# Altium PCB MLB_REV1.PcbDoc (part 3 of 4)
Units mm, origin at the board's own origin, x right, y up, seen from the top; angles counter-clockwise.
Board outline 150 x 100 mm, 4 copper layers (Top Layer, GND, Power, Bottom Layer), stack 0.603 mm thick; 296 components, 218 nets, 1001 pads, 657 vias.
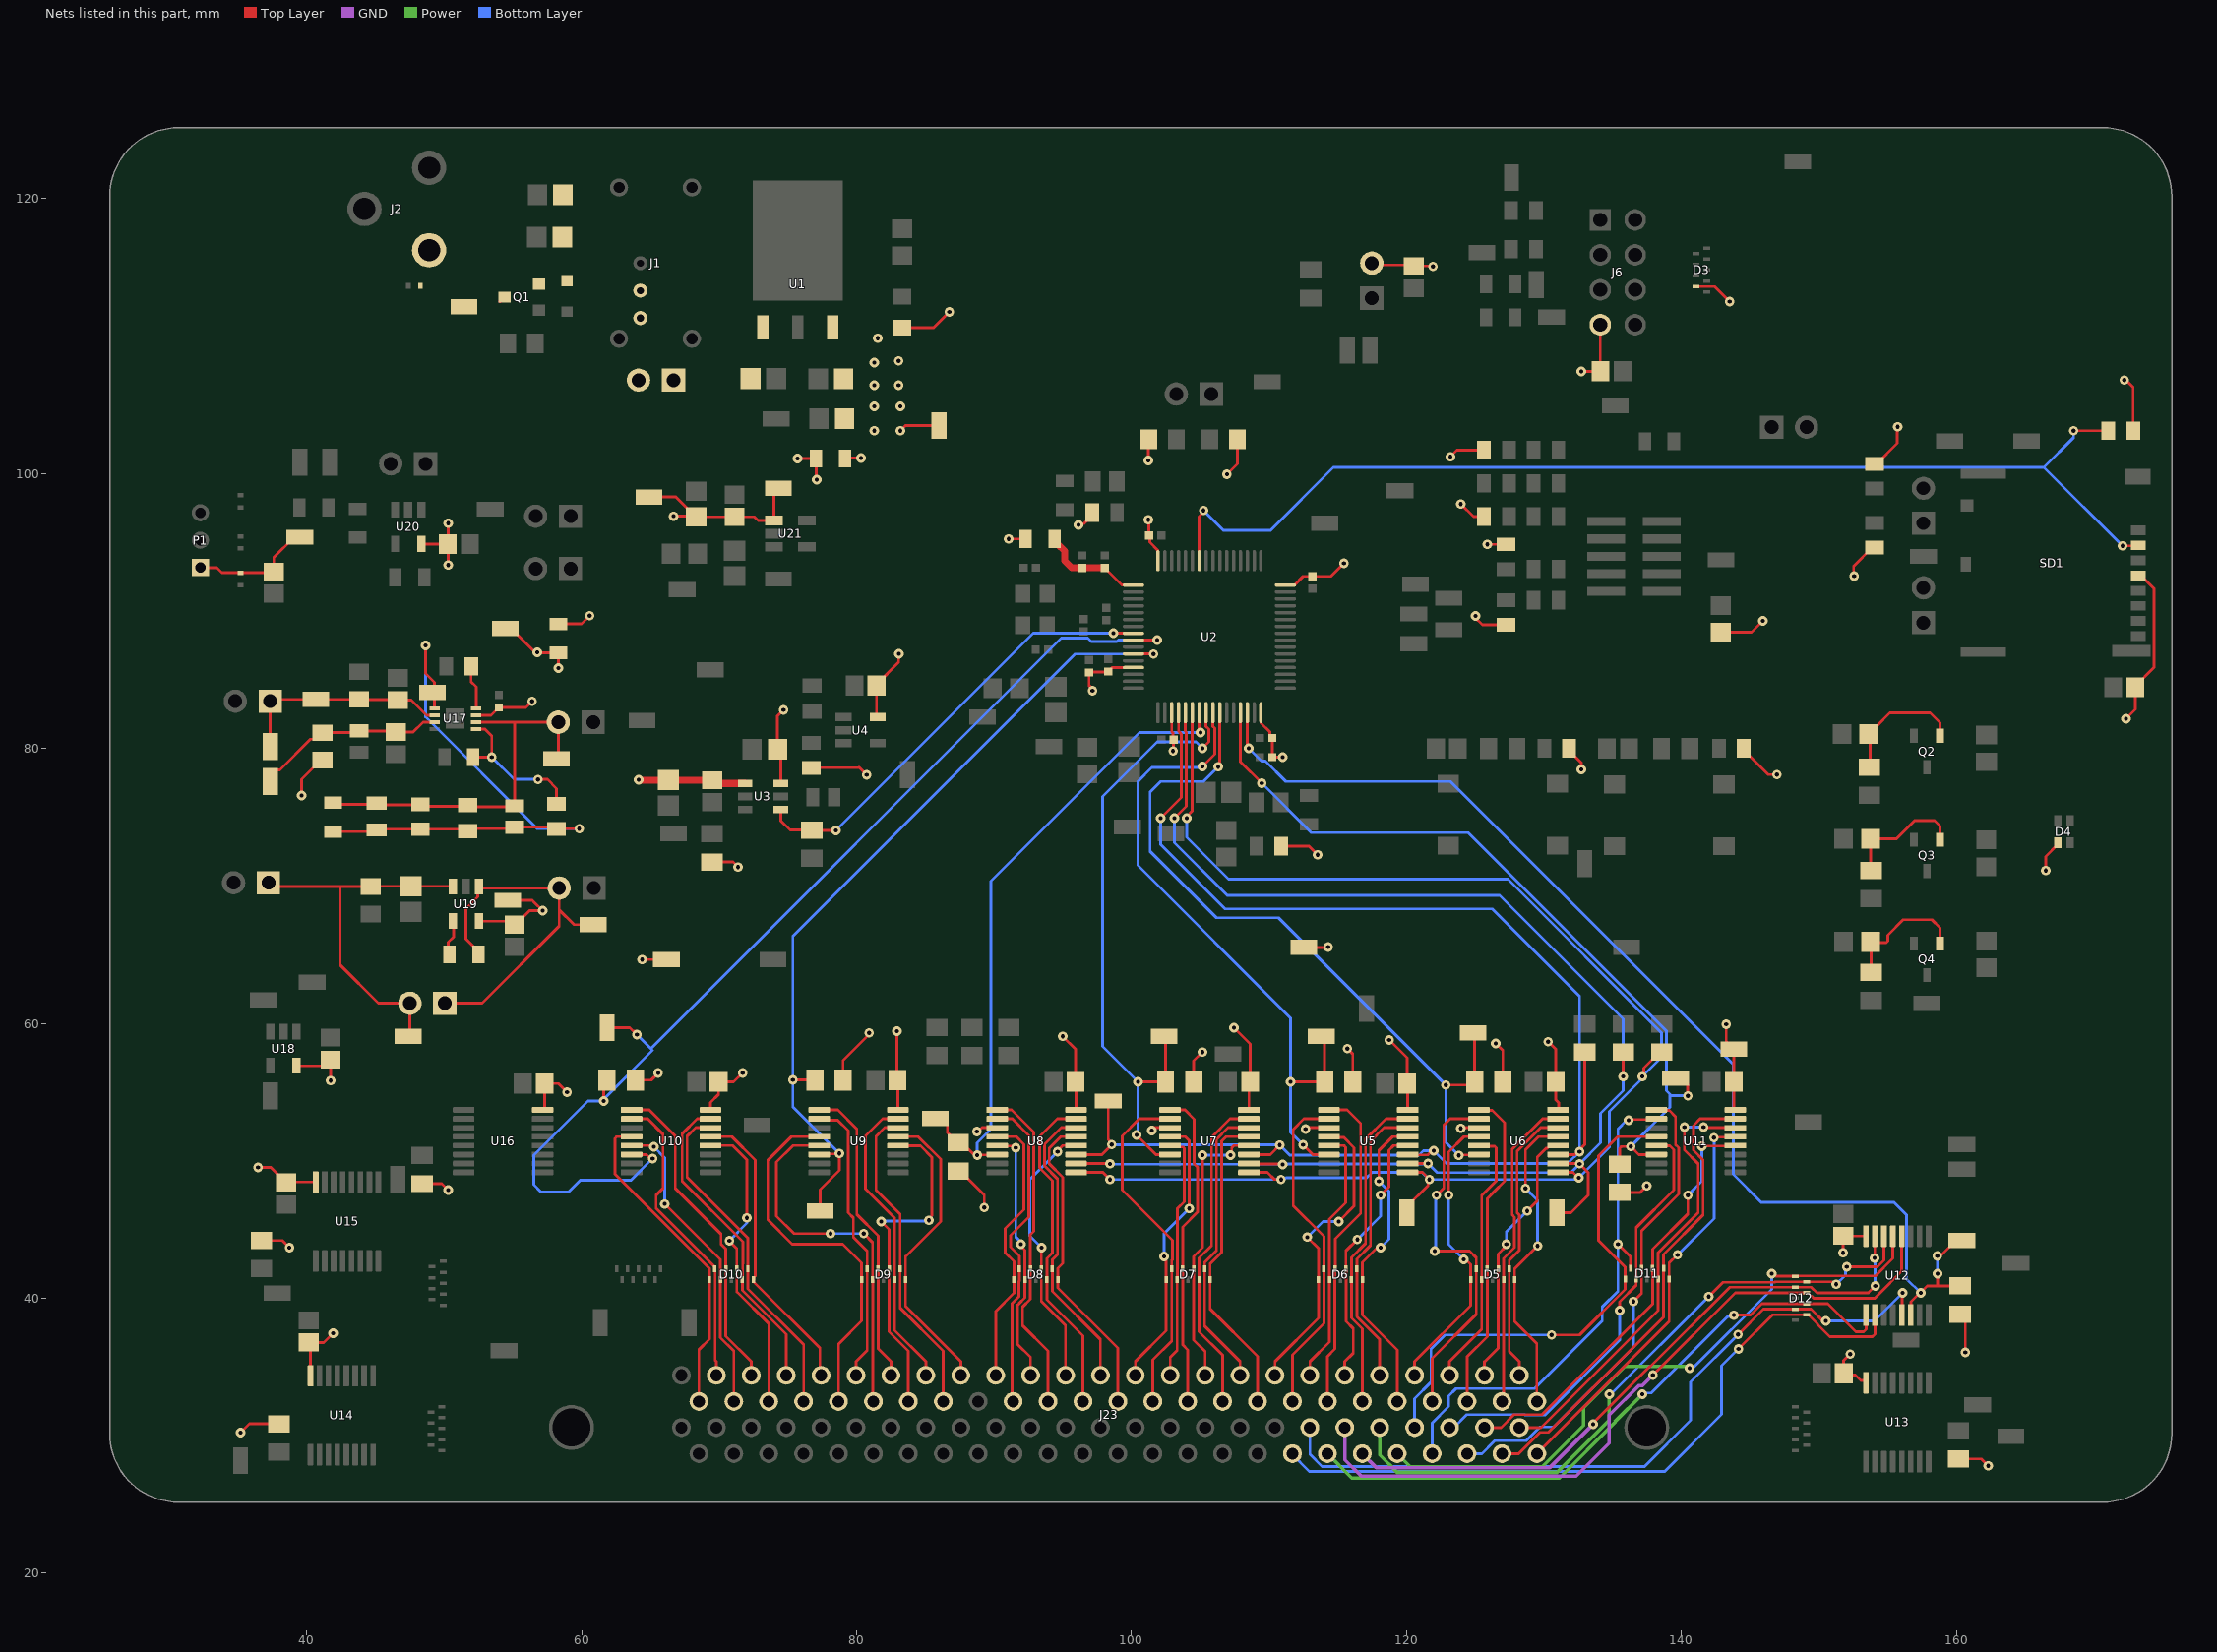
[diagram p5: the nets of this part, all layers, seen from the top]

## Via types
v1: diameter 0.7, hole 0.3, Top Layer to Bottom Layer, tented both sides, 572 vias
v2: diameter 0.7, hole 0.3, Top Layer to Bottom Layer, tented bottom, 79 vias
v3: diameter 5.5, hole 3, Top Layer to Bottom Layer, 6 vias

## Nets (pads, with @x,y where several pads share a name; then routed paths per layer and width w, separated by ;. In a path a pad name is that pad's centre, name@x,y a point inside that pad or via, vN(x,y) a via of type N, cw(c..) or ccw(c..) an arc to the next point about the centre after c; other vN are vias at no path point) (continued)
PP3V3: C4.1 C5.1 C10.1 C11.1 C12.1 C13.1 C14.1 C15.1 C16.1 C18.1 C19.1 C21.1 C22.1 C25.1 C27.1 C28.1 C29.1 C30.1 C31.1 C32.1 C33.1 C34.1 C35.1 C36.1 C37.1 C38.1 C43.2 D3.9 D4.4 DS1.1 J6.7 J11.2 R1.2 R2.2 R3.2 R4.2 R5.1 R15.2 R18.1 R19.1 R20.2 R22.2 R25.2 R28.2 R29.2 R30.2 R34.2 R52.1 R53.2 R56.2 R57.2 R61.2 R62.2 R63.2 R64.2 R68.2 R69.2 R70.2 R71.2 R72.2 R73.2 R74.2 R94.2 SD1.4 TP1.1 TP2.1 TP19.1 U1.3 U2.13 U2.19 U2.32 U2.48 U2.64 U3.6 U4.5 U5.16 U6.16 U7.16 U8.16 U9.16 U10.16 U11.16 U12.16 U13.16 U14.16 U15.16 U16.16 U18.5 | length 210
  Top Layer w0.203: v1(35.179,30.226) 35.823,30.87 R71.2@37.973,30.87 ; v1(36.449,49.53) 37.377,49.53 C37.1@38.481,48.426 38.518,48.463 U15.16@40.651,48.463 ; R72.2@36.703,44.205 38.218,44.205 v1(38.735,43.688) ; U18.5@39.253,56.916 41.283,56.916 C43.2@41.732,57.365 v1(41.732,55.842) ; U14.16@40.27,34.366 40.27,36.653 C36.1@40.132,36.791 41.236,36.791 v1(41.91,37.465) ; R73.2@48.387,48.342 49.829,48.342 v1(50.292,47.879) ; U16.16@57.15,53.71 57.2,53.71 57.304,53.813 C38.1@57.304,55.626 58.293,55.626 v1(58.928,54.991) ; R74.2@58.293,89.061 59.978,89.061 v1(60.579,89.662) ; R64.2@63.89,55.88 65.048,55.88 v1(65.558,56.39) ; U10.16@69.362,53.71 69.362,54.249 69.948,54.835 C32.1@69.948,55.753 71.056,55.753 v1(71.703,56.4) ; R52.1@69.469,71.746 71.002,71.746 v1(71.374,71.374) ; U3.6@74.483,77.461 74.483,79.693 C22.1@74.236,79.94 74.236,82.364 v1(74.676,82.804) ; R53.2@76.708,78.602 80.126,78.602 80.137,78.613 80.191,78.613 v1(80.727,78.077) ; R63.2@79.003,55.88 79.003,57.286 80.899,59.182 v1(80.899,59.309) ; R94.2@79.155,101.092 79.189,101.126 v1(80.317,101.126) ; U4.5@81.545,82.287 81.446,82.386 C25.1@81.446,84.582 81.446,84.658 83.058,86.27 83.058,86.863 v1(83.078,86.883) ; v1(82.931,59.436) 82.931,55.919 83.007,55.843 U9.16@83.007,53.71 ; v1(83.185,103.124) 83.185,103.138 83.552,103.505 TP2.1@85.979,103.505 ; DS1.1@83.33,110.613 85.594,110.613 v1(86.741,111.76) ; R62.2@87.376,49.267 87.526,49.267 89.281,47.512 89.281,46.613 v1(89.276,46.608) ; v1(91.059,95.25) R20.2@92.295,95.25 ; v1(94.996,59.055) 95.924,58.127 C30.1@95.924,55.753 95.961,55.716 U8.16@95.961,53.71 ; v1(96.139,96.266) 96.234,96.361 96.525,96.361 97.144,96.98 R22.2@97.144,97.155 ; v1(97.155,84.201) 97.155,84.328 96.901,84.582 C15.1@96.901,85.527 96.937,85.562 98.262,85.562 C16.1@98.298,85.598 98.588,85.888 U2.13@100.139,85.888 ; v1(101.219,96.647) 101.247,96.619 101.247,95.532 101.316,95.463 101.316,95.018 101.905,94.429 101.905,93.672 U2.64@101.914,93.663 ; v1(101.219,100.965) 101.219,102.457 R19.1@101.251,102.489 ; U2.19@102.914,82.613 102.914,81.236 102.997,81.153 102.997,80.716 C13.1@103.068,80.645 103.043,80.62 103.043,79.843 v1(103.018,79.818) ; R61.2@104.521,55.753 104.521,57.277 v1(105.156,57.912) ; v1(106.934,99.949) 107.696,100.711 R18.1@107.696,102.489 ; v1(107.442,59.69) 108.624,58.508 C29.1@108.624,55.753 108.534,55.663 U7.16@108.534,53.71 ; U2.32@109.414,82.613 109.423,82.604 109.423,81.839 110.051,81.211 110.051,80.957 C10.1@110.236,80.772 C14.1@110.236,79.375 v1(110.998,79.375) ; R15.2@110.882,72.898 112.903,72.898 v1(113.538,72.263) ; U2.48@111.189,91.888 111.839,91.888 112.478,92.527 C11.1@113.157,92.527 114.498,92.527 v1(115.443,93.472) ; TP1.1@112.528,65.532 114.301,65.532 v1(114.301,65.564) ; v1(115.697,58.166) 116.087,57.776 R56.2@116.087,55.753 ; J11.2@117.475,115.316 117.602,115.189 120.308,115.189 C21.1@120.435,115.062 ; v1(118.735,58.791) 118.745,58.801 120.054,57.492 C27.1@120.054,55.626 120.091,55.589 U5.16@120.091,53.71 ; C21.1@120.523,115.083 120.547,115.107 121.885,115.107 v1(121.92,115.072) ; v1(123.19,101.219) 123.672,101.701 R4.2@125.64,101.701 ; v1(123.952,97.79) 124.867,96.875 R3.2@125.64,96.875 ; v1(125.015,89.639) 125.015,89.582 124.968,89.535 125.513,88.99 R1.2@127.24,88.99 ; v1(125.872,94.854) R2.2@127.24,94.854 ; v1(126.492,58.547) 127.009,58.03 R57.2@127.009,55.753 ; v1(130.302,58.674) 130.849,58.127 C28.1@130.849,55.753 130.849,54.444 131.064,54.229 131.064,53.761 U6.16@131.013,53.71 ; R25.2@131.837,80.01 131.837,79.835 132.715,78.957 v1(132.715,78.486) ; v1(132.715,107.442) C19.1@134.112,107.442 134.092,107.462 J6.7@134.092,110.833 ; R68.2@135.509,47.707 136.988,47.707 137.459,48.178 v1(137.476,48.178) ; D3.9@141.059,113.608 142.424,113.608 v1(143.51,112.522) ; R5.1@142.861,88.457 145.099,88.457 v1(145.923,89.281) ; v1(143.256,59.944) 143.256,58.674 TP19.1@143.803,58.127 C33.1@143.803,55.753 143.803,53.813 143.906,53.71 U11.16@143.916,53.71 ; R34.2@144.537,80.01 144.537,79.835 144.935,79.437 144.978,79.437 146.31,78.105 v1(146.939,78.105) ; v1(151.765,43.307) C34.1@151.765,44.538 151.777,44.526 U12.16@153.427,44.526 ; v1(152.273,35.941) 151.804,35.472 151.804,34.468 151.843,34.429 152.642,34.429 153.036,34.035 153.324,34.035 153.427,33.931 U13.16@153.427,33.858 ; v1(152.555,92.541) 152.527,92.569 152.527,93.266 153.876,94.615 R30.2@154.051,94.615 ; R29.2@154.051,100.722 154.226,100.722 155.702,102.198 155.702,103.384 v1(155.728,103.41) ; R70.2@160.147,28.312 161.807,28.312 v1(162.306,27.813) ; R69.2@160.274,38.853 160.655,38.472 v1(160.655,36.068) ; v1(166.497,71.12) 166.497,72.149 167.375,73.027 D4.4@167.375,73.152 ; v1(172.212,106.807) 172.339,106.807 172.858,106.288 R28.2@172.858,103.124 ; v1(172.339,82.169) 173.013,82.843 C18.1@173.013,84.455 173.013,84.531 174.382,85.9 174.382,91.627 173.428,92.581 SD1.4@173.228,92.581
  other v1: 81.28,103.124 81.28,104.902 83.185,104.902 81.28,106.426 83.058,106.426 81.28,108.077 83.058,108.204 81.534,109.855
PP3V3_AUDIO: C46.2 C47.2 C49.1 C50.1 D19.1 P1.1 R94.1 TP74.1 TP75.1 TP83.1 U20.5 U21.1 | length 30.9
  Top Layer w0.203: P1.1@32.258,93.155 33.464,93.155 33.817,92.802 37.518,92.802 C46.2@37.592,92.876 37.592,93.897 39.072,95.377 TP74.1@39.497,95.377 ; U20.5@48.321,94.889 U20.5@48.341,94.869 ; U20.5@48.354,94.856 U20.5@48.341,94.869 ; v1(50.292,93.345) 50.292,94.83 C47.2@50.253,94.869 ; v1(50.292,96.393) 50.292,94.908 C47.2@50.253,94.869 ; TP83.1@64.897,98.298 66.841,98.298 C49.1@68.238,96.901 ; v1(66.675,96.901) C49.1@68.238,96.901 ; TP75.1@74.295,98.933 73.984,98.622 U21.1@73.984,96.581 72.837,96.581 72.556,96.862 C50.1@71.12,96.862 68.328,96.862 C49.1@68.326,96.864 68.289,96.901 C49.1@68.238,96.901 ; v1(75.692,101.092) R94.1@77.055,101.092 77.055,99.568 v1(77.089,99.568) ; U20.5@48.341,94.869 C47.2@50.253,94.869
PP3V3_LCD: C7.1 C8.1 R20.1 U2.1 | length 7.7
  Top Layer w0.203: C7.1@98.044,93.147 99.294,91.897 U2.1@100.13,91.897
  Top Layer w0.508: R20.1@94.395,95.25 94.395,95.05 94.591,94.854 94.63,94.854 95.123,94.361 95.123,93.652 95.628,93.147 C7.1@98.044,93.147
PP3V3_PWR_MUX: C23.1 C24.1 TP23.1 U3.1 U5.3 U6.3 U7.3 U8.3 | length 15.9
  Top Layer w0.203: v1(64.389,64.643) TP23.1@66.167,64.643 ; v1(88.742,52.135) 88.856,52.135 89.131,52.41 U8.3@90.221,52.41 ; v1(101.473,52.197) 101.473,52.41 U7.3@102.794,52.41 ; v1(112.649,52.324) 112.649,52.41 U5.3@114.351,52.41 ; v1(123.952,52.364) 123.952,52.41 U6.3@125.273,52.41
  Top Layer w0.508: v1(64.135,77.724) 64.135,77.703 C24.1@66.294,77.703 69.489,77.703 69.732,77.461 U3.1@71.883,77.461
PP3V3_SENSE: C39.1 C44.2 R74.1 R77.2 TP54.1 TP66.1 U17.7 U19.5 | length 21.5
  Top Layer w0.203: v1(39.624,76.581) 39.624,77.754 41.023,79.153 R77.2@41.148,79.153 ; U17.7@52.3,82.419 53.407,82.419 C39.1@53.975,82.987 55.936,82.987 v1(56.388,83.439) ; U19.5@52.512,67.457 52.532,67.437 54.864,67.437 C44.2@55.118,67.183 55.194,67.183 56.21,68.199 v1(57.15,68.199) 56.515,68.834 56.515,68.842 56.396,68.961 TP66.1@54.61,68.961 ; TP54.1@54.434,88.733 54.859,88.733 56.502,87.09 56.674,87.09 v1(56.769,86.995) 56.769,86.961 R74.1@58.293,86.961 v1(58.293,85.852)
PP5V_CONN: D1.1 J2.1 Q1.3 TP3.1 | length 0.5
  Top Layer w0.203: Q1.3@54.048,112.494 54.048,112.544 54.346,112.842 Q1.3@54.396,112.842
PP5V_RVP: C1.1 C2.1 D2.1 J1.2 Q1.2 | length 0
  Top Layer w0.203: D2.1@58.928,114.018 D2.1@58.968,114.018
PP5V_SW1: J1.1 J3.2
PP5V_SW2: C3.1 J3.1 U1.1
PWR_MUX1_EN_L: R57.1 TP31.1 U2.26 U6.6 | length 55.4
  Top Layer w0.203: v1(106.31,78.67) 106.31,78.805 106.414,78.909 U2.26@106.414,82.613 ; v1(122.859,55.522) 124.728,55.522 R57.1@124.959,55.753 124.959,59.191 TP31.1@124.841,59.309 ; v1(123.795,50.404) 123.823,50.432 125.245,50.432 U6.6@125.273,50.46
  Bottom Layer w0.203: v1(106.31,78.67) 105.237,77.597 102.108,77.597 101.346,76.835 101.346,72.517 106.172,67.691 110.69,67.691 v1(122.859,55.522) 122.859,51.34 v1(123.795,50.404)
PWR_MUX1_Y0: D5.5 J23.1 U6.13 | length 22.8
  Top Layer w0.203: v2(128.651,48.006) 128.651,50.8 129.611,51.76 U6.13@131.013,51.76 ; J23.1@129.481,32.5 129.481,36.704 127.868,38.317 D5.5@127.868,41.354 127.868,42.143 v2(129.54,43.815)
  Bottom Layer w0.203: v2(128.651,48.006) 129.54,47.117 v2(129.54,43.815)
PWR_MUX1_Y1: D5.6 J23.2 U6.14 | length 20.7
  Top Layer w0.203: J23.2@128.211,34.4 128.211,35.4 127.468,36.143 D5.6@127.468,42.154 127.468,42.748 128.214,43.493 128.214,46.065 128.047,46.232 128.047,50.699 129.758,52.41 U6.14@131.013,52.41
PWR_MUX1_Y2: D5.4 J23.3 U6.15 | length 22.6
  Top Layer w0.203: J23.3@126.941,32.918 126.948,32.918 127.068,33.038 D5.4@127.068,41.354 127.068,42.902 127.858,43.692 127.858,45.918 127.691,46.085 127.691,50.846 129.905,53.06 U6.15@131.013,53.06
PWR_MUX1_Y3: D5.7 J23.4 U6.12 | length 19.3
  Top Layer w0.203: J23.4@125.671,34.4 125.671,35.4 125.697,35.4 126.668,36.371 D5.7@126.668,42.154 126.668,43.229 127.254,43.815 v2(127.254,43.942) ; v2(128.778,46.355) 129.513,47.09 129.513,50.279 130.153,50.919 130.242,50.919 130.433,51.11 U6.12@131.013,51.11
  Bottom Layer w0.203: v2(127.254,43.942) 127.254,44.831 v2(128.778,46.355)
PWR_MUX1_Y4: D5.8 J23.5 U6.1 | length 23.7
  Top Layer w0.203: J23.5@124.401,32.5 124.401,35.755 125.868,37.222 D5.8@125.868,42.154 125.868,47.255 126.365,47.752 127.127,48.514 127.127,52.791 126.233,53.685 125.298,53.685 U6.1@125.273,53.71
PWR_MUX1_Y5: D5.2 J23.6 U6.5 | length 19.3
  Top Layer w0.203: J23.6@123.131,34.4 123.131,35.4 125.468,37.737 D5.2@125.468,41.354 125.468,47.49 126.517,48.539 126.517,50.951 126.398,51.07 125.313,51.07 U6.5@125.273,51.11
PWR_MUX1_Y6: D5.9 J23.7 U6.2 | length 27.2
  Top Layer w0.203: J23.7@121.861,32.5 121.861,35.628 125.068,38.835 D5.9@125.068,42.154 125.068,42.953 124.587,43.434 v2(122.047,43.434) ; v2(122.174,47.498) 122.707,48.031 122.707,52.608 123.172,53.073 125.26,53.073 U6.2@125.273,53.06
  Bottom Layer w0.203: v2(122.047,43.434) 122.111,43.497 122.111,47.434 v2(122.174,47.498)
PWR_MUX1_Y7: D5.1 J23.8 U6.4 | length 21.3
  Top Layer w0.203: J23.8@120.591,34.4 120.591,35.4 124.668,39.477 D5.1@124.668,41.354 124.668,42.464 124.666,42.464 124.3,42.83 v2(124.166,42.83) ; v2(123.063,47.498) 123.063,50.64 124.183,51.76 U6.4@125.273,51.76
  Bottom Layer w0.203: v2(123.063,47.498) 123.063,43.933 v2(124.166,42.83)
PWR_MUX2_EN_L: R56.1 TP30.1 U2.25 U5.6 | length 48.9
  Top Layer w0.203: v1(105.156,78.697) 106.045,79.586 106.045,81.483 105.914,81.614 U2.25@105.914,82.613 ; v1(111.569,55.754) R56.1@114.037,55.753 ; v1(112.476,51.177) 113.193,50.46 U5.6@114.351,50.46 ; TP30.1@113.792,59.055 114.037,58.81 R56.1@114.037,55.753
  Bottom Layer w0.203: v1(105.156,78.697) 105.072,78.613 101.473,78.613 100.457,77.597 100.457,71.501 111.569,60.389 v1(111.569,55.754) 111.569,52.084 v1(112.476,51.177)
PWR_MUX2_Y0: D6.5 J23.9 U5.13 | length 23.1
  Top Layer w0.203: v1(117.983,48.514) 117.983,50.756 118.987,51.76 U5.13@120.091,51.76 ; v2(118.11,43.688) 117.856,43.688 116.791,42.623 D6.5@116.791,41.354 116.791,38.775 119.321,36.245 J23.9@119.321,32.5
  Bottom Layer w0.203: v1(117.983,48.514) 118.714,47.783 118.714,44.292 v2(118.11,43.688)
PWR_MUX2_Y1: D6.6 J23.10 U5.14 | length 21.2
  Top Layer w0.203: J23.10@118.051,34.4 118.051,37.012 116.435,38.628 116.435,38.632 116.391,38.676 D6.6@116.391,42.154 116.391,42.858 117.379,43.846 117.379,51.431 118.358,52.41 U5.14@120.091,52.41
PWR_MUX2_Y2: D6.4 J23.11 U5.15 | length 23.5
  Top Layer w0.203: J23.11@116.781,32.5 116.781,37.778 115.991,38.568 D6.4@115.991,41.354 115.991,42.961 117.023,43.993 117.023,51.578 118.505,53.06 U5.15@120.091,53.06
PWR_MUX2_Y3: D6.7 J23.12 U5.12 | length 19.7
  Top Layer w0.203: J23.12@115.511,34.4 115.511,35.4 116.126,36.015 116.126,37.798 115.612,38.312 115.612,41.709 115.624,41.721 115.624,41.995 115.591,42.029 115.591,43.455 v2(116.419,44.283) ; v2(118.11,47.498) 118.718,48.106 118.718,50.773 119.055,51.11 U5.12@120.091,51.11
  Bottom Layer w0.203: v2(116.419,44.283) 118.11,45.974 v2(118.11,47.498)
PWR_MUX2_Y4: D6.8 J23.13 U5.1 | length 23.9
  Top Layer w0.203: J23.13@114.241,32.5 114.241,35.755 114.791,36.305 114.791,42.279 114.814,42.302 114.814,44.329 116.668,46.183 116.668,52.715 115.673,53.71 U5.1@114.351,53.71
PWR_MUX2_Y5: D6.2 J23.14 U5.5 | length 18.9
  Top Layer w0.203: J23.14@112.971,34.4 112.971,35.4 114.391,36.82 114.391,45.776 115.56,46.945 115.56,50.991 115.441,51.11 U5.5@114.351,51.11
PWR_MUX2_Y6: D6.9 J23.15 U5.2 | length 24.6
  Top Layer w0.203: J23.15@111.701,32.5 111.701,35.882 113.991,38.172 D6.9@113.991,42.154 113.991,44.505 111.76,46.736 111.76,52.289 112.531,53.06 U5.2@114.351,53.06
PWR_MUX2_Y7: D6.1 J23.16 U5.4 | length 22.4
  Top Layer w0.203: J23.16@110.431,34.4 110.431,35.4 113.591,38.56 D6.1@113.591,41.354 113.591,43.635 v2(112.776,44.45) ; U5.4@114.351,51.76 114.411,51.7 115.441,51.7 116.18,50.961 116.18,46.711 v2(115.062,45.593)
  Bottom Layer w0.203: v2(112.776,44.45) 113.919,45.593 v2(115.062,45.593)
PWR_MUX3_EN_L: R61.1 TP32.1 U2.24 U7.6 | length 46.1
  Top Layer w0.203: v1(100.349,51.886) 101.775,50.46 U7.6@102.794,50.46 ; v1(100.457,55.753) R61.1@102.471,55.753 102.471,58.946 TP32.1@102.362,59.055 ; v1(105.156,80.01) 105.622,80.476 105.622,81.403 105.414,81.611 U2.24@105.414,82.613
  Bottom Layer w0.203: v1(100.349,51.886) 100.457,51.994 v1(100.457,55.753) 97.878,58.332 97.878,76.507 101.858,80.487 104.679,80.487 v1(105.156,80.01)
PWR_MUX3_Y0: D7.5 J23.17 U7.13 | length 22.8
  Top Layer w0.203: U7.13@108.534,51.76 106.873,51.76 106.553,51.44 106.553,43.352 105.714,42.513 D7.5@105.714,41.354 105.714,39.234 109.161,35.787 J23.17@109.161,32.5
PWR_MUX3_Y1: D7.6 J23.18 U7.14 | length 21.3
  Top Layer w0.203: J23.18@107.891,34.4 107.891,35.4 105.314,37.977 105.314,42.616 106.172,43.474 106.172,51.562 107.02,52.41 U7.14@108.534,52.41
PWR_MUX3_Y2: D7.4 J23.19 U7.15 | length 23.6
  Top Layer w0.203: J23.19@106.621,32.5 106.621,35.873 104.914,37.58 104.914,42.936 105.816,43.838 105.816,51.709 107.167,53.06 U7.15@108.534,53.06
PWR_MUX3_Y3: D7.7 J23.20 U7.12 | length 20.6
  Top Layer w0.203: v1(105.156,50.419) 105.156,43.681 104.514,43.039 D7.7@104.514,42.154 104.514,36.964 105.351,36.127 J23.20@105.351,34.4 ; v1(107.188,50.419) 107.283,50.514 107.283,50.949 107.444,51.11 U7.12@108.534,51.11
  Bottom Layer w0.203: v1(105.156,50.419) v1(107.188,50.419)
PWR_MUX3_Y4: D7.8 J23.21 U7.1 | length 23.3
  Top Layer w0.203: U7.1@102.794,53.71 103.884,53.71 104.552,53.042 104.552,49.781 104.793,49.541 104.793,46.28 103.714,45.202 103.714,36.621 104.081,36.254 J23.21@104.081,32.5
PWR_MUX3_Y5: D7.2 J23.22 U7.5 | length 18.1
  Top Layer w0.203: U7.5@102.794,51.11 102.897,51.007 103.753,51.007 103.833,50.926 103.833,47.029 103.335,46.531 103.335,41.798 103.337,41.796 103.337,41.377 D7.2@103.314,41.354 103.314,36.218 102.811,35.715 J23.22@102.811,34.4
PWR_MUX3_Y6: D7.9 J23.23 U7.2 | length 25.4
  Top Layer w0.203: J23.23@101.541,32.5 101.541,35.519 102.914,36.892 D7.9@102.914,42.154 102.914,42.751 102.966,42.803 102.966,44.227 99.314,47.879 99.314,51.816 100.558,53.06 U7.2@102.794,53.06
PWR_MUX3_Y7: D7.1 J23.24 U7.4 | length 20.3
  Top Layer w0.203: J23.24@100.271,34.4 100.271,35.4 102.514,37.643 102.514,42.767 102.362,42.919 v2(102.362,43.053) ; U7.4@102.794,51.76 103.898,51.76 104.189,51.469 v2(104.189,46.531)
  Bottom Layer w0.203: v2(102.362,43.053) 102.362,44.704 v2(104.189,46.531)
PWR_MUX4_EN_L: R62.1 TP33.1 U2.23 U8.6 | length 47.2
  Top Layer w0.203: TP33.1@85.725,53.086 86.15,53.086 86.598,52.638 86.598,52.072 87.353,51.317 87.503,51.317 87.653,51.317 88.456,50.514 88.678,50.514 v1(88.773,50.419) 88.793,50.439 90.201,50.439 U8.6@90.221,50.46 ; v1@104.914,81.391 U2.23@104.914,82.613
  Bottom Layer w0.203: v1(88.773,50.419) 88.773,51.311 89.773,52.311 89.773,70.342 100.584,81.153 v1(105.018,81.153)
PWR_MUX4_Y0: D8.5 J23.25 U8.13 | length 23.2
  Top Layer w0.203: U8.13@96.064,51.657 U8.13@95.961,51.76 94.848,51.76 94.011,50.923 94.011,49.791 94.996,48.806 94.996,42.545 94.637,42.186 D8.5@94.637,41.354 94.637,40.745 99.001,36.381 J23.25@99.001,32.5
PWR_MUX4_Y1: D8.6 J23.26 U8.14 | length 21.6
  Top Layer w0.203: U8.14@95.941,52.43 94.878,52.43 93.655,51.208 93.655,49.644 94.615,48.684 94.615,43.185 94.237,42.807 D8.6@94.237,42.154 94.237,40.51 97.731,37.016 J23.26@97.731,34.4
PWR_MUX4_Y2: D8.4 J23.27 U8.15 | length 24.1
  Top Layer w0.203: U8.15@95.961,53.06 94.589,53.06 93.3,51.771 93.3,49.496 94.234,48.562 94.234,43.307 93.837,42.91 D8.4@93.837,41.354 93.837,39.894 96.461,37.27 J23.27@96.461,32.5
PWR_MUX4_Y3: D8.7 J23.28 U8.12 | length 19.7
  Top Layer w0.203: v2(93.443,43.695) 93.437,43.689 D8.7@93.437,42.154 93.437,39.786 95.191,38.032 J23.28@95.191,34.4 ; v1(94.615,50.673) 94.604,50.684 94.604,50.732 94.982,51.11 95.754,51.11 U8.12@95.858,51.007
  Bottom Layer w0.203: v2(93.443,43.695) 92.583,44.555 92.583,48.641 v1(94.615,50.673)
PWR_MUX4_Y4: D8.8 J23.29 U8.1 | length 24
  Top Layer w0.203: U8.1@90.221,53.71 91.262,53.71 92.882,52.09 92.882,44.876 92.637,44.631 92.637,39.932 92.075,39.37 92.075,38.013 93.921,36.167 J23.29@93.921,32.5
PWR_MUX4_Y5: D8.2 J23.30 U8.5 | length 18.8
  Top Layer w0.203: U8.5@90.221,51.11 90.249,51.082 91.448,51.082 91.448,51.077 v1(91.567,50.958) ; v2(91.948,43.942) 91.948,43.808 92.237,43.519 D8.2@92.237,41.354 92.237,40.04 91.821,39.624 91.821,39.619 91.719,39.517 91.719,36.647 92.651,35.715 J23.30@92.651,34.4
  Bottom Layer w0.203: v1(91.567,50.958) 91.567,44.457 91.948,44.076 v2(91.948,43.942)
PWR_MUX4_Y6: D8.9 J23.31 U8.2 | length 23.2
  Top Layer w0.203: U8.2@90.221,53.06 91.325,53.06 92.527,51.858 92.527,45.918 91.186,44.577 91.186,43.723 91.837,43.072 D8.9@91.837,42.154 91.837,41.254 91.816,41.233 91.816,40.127 91.313,39.624 91.313,32.568 J23.31@91.381,32.5
PWR_MUX4_Y7: D8.1 J23.32 U8.4 | length 20.4
  Top Layer w0.203: J23.32@90.111,34.4 90.111,39.057 91.437,40.383 D8.1@91.437,41.354 91.437,42.675 90.805,43.307 90.805,45.085 92.171,46.451 92.171,51.208 91.619,51.76 U8.4@90.221,51.76
PWR_MUX_IN: R51.1 U2.8 U3.4 | length 32.7
  Top Layer w0.203: U3.4@74.483,75.561 74.483,74.742 75.154,74.071 R51.1@76.739,74.071 76.768,74.041 v1(78.486,74.041) ; v1(98.679,88.392) 98.683,88.388 U2.8@100.139,88.388
  Bottom Layer w0.203: v1(78.486,74.041) 92.837,88.392 v1(98.679,88.392)
PWR_MUX_S1: R58.2 TP27.1 U2.20 U5.11 U6.11 U7.11 U8.11 | length 111.6
  Top Layer w0.203: U8.11@95.961,50.46 97.831,50.46 v1(98.552,51.181) 98.552,51.315 98.298,51.569 TP27.1@98.298,54.356 ; v1(102.108,74.93) 103.622,76.444 103.622,81.05 103.558,81.114 103.414,81.258 U2.20@103.414,82.613 ; U7.11@108.534,50.46 110.086,50.46 v1(110.776,51.149) ; U5.11@120.091,50.46 120.111,50.439 121.552,50.439 121.849,50.736 v1(121.983,50.736) ; U6.11@131.013,50.46 132.241,50.46 132.969,51.188 R58.2@132.969,57.912
  Bottom Layer w0.203: v1(98.552,51.181) 98.568,51.165 110.76,51.165 111.506,50.419 120.904,50.419 121.221,50.736 v1(121.983,50.736) 122.92,49.8 131.715,49.8 v1(132.588,50.673) 132.588,61.976 126.238,68.326 106.807,68.326 102.108,73.025 v1(102.108,74.93)
PWR_MUX_S2: R59.2 TP28.1 U2.21 U5.10 U6.10 U7.10 U8.10 | length 109.6
  Top Layer w0.203: U8.10@95.961,49.81 95.974,49.797 98.412,49.797 v1(98.425,49.784) ; v1(103.124,74.93) 103.978,75.784 103.978,81.198 103.914,81.261 U2.21@103.914,82.613 ; U7.10@108.534,49.81 108.571,49.773 110.945,49.773 v1(110.983,49.736) ; U5.10@120.091,49.81 120.094,49.813 121.568,49.813 v1(121.57,49.815) ; TP28.1@130.937,46.228 131.953,46.228 133.223,47.498 133.223,49.149 v1(132.588,49.784) 132.575,49.797 131.026,49.797 U6.10@131.013,49.81 ; v1(135.763,56.134) R59.2@135.763,57.912
  Bottom Layer w0.203: v1(98.425,49.784) 98.449,49.76 110.959,49.76 v1(110.983,49.736) 111.022,49.776 121.531,49.776 v1(121.57,49.815) 122.237,49.149 131.953,49.149 v1(132.588,49.784) 134.112,51.308 134.112,53.467 135.763,55.118 v1(135.763,56.134) 135.763,60.325 126.771,69.317 106.959,69.317 103.124,73.152 v1(103.124,74.93)
PWR_MUX_S3: R60.2 TP29.1 U2.22 U5.9 U6.9 U7.9 U8.9 | length 111.6
  Top Layer w0.203: U8.9@95.961,49.16 97.906,49.16 v1(98.425,48.641) ; v1(104.013,74.93) 104.013,75.054 104.414,75.455 U2.22@104.414,82.613 ; U7.9@108.569,49.125 U7.9@108.534,49.16 109.883,49.16 110.402,48.641 v1(110.871,48.641) ; TP29.1@120.015,46.228 120.015,46.653 121.571,48.209 121.571,48.546 v1(121.666,48.641) 121.147,49.16 U5.9@120.091,49.16 ; U6.9@131.013,49.16 132.103,49.16 132.485,48.778 v1(132.533,48.778) ; v1(137.16,56.134) 137.255,56.229 137.255,56.76 138.407,57.912 R60.2@138.557,57.912
  Bottom Layer w0.203: v1(98.425,48.641) v1(110.871,48.641) 110.966,48.736 111.206,48.736 111.238,48.768 117.094,48.768 117.5,49.174 121.133,49.174 v1(121.666,48.641) 132.396,48.641 v1(132.533,48.778) 134.747,50.992 134.747,53.599 137.16,56.012 v1(137.16,56.134) 138.557,57.531 138.557,59.309 127.381,70.485 107.061,70.485 104.013,73.533 v1(104.013,74.93)
RGB_B_GATE: Q4.1 R48.2 R49.2 | length 10.4
  Top Layer w0.203: R49.2@153.797,63.727 R48.2@153.797,65.893 ; R48.2@154.325,66.57 153.749,65.995 R48.2@153.749,65.941 R48.2@153.797,65.893 ; Q4.1@158.804,65.814 158.804,66.952 158.217,67.539 156.134,67.539 155.016,66.421 155.016,66.007 154.897,65.888 153.803,65.888 R48.2@153.797,65.893
RGB_G_GATE: Q3.1 R44.2 R46.2 | length 9.1
  Top Layer w0.203: R46.2@153.749,71.077 R44.2@153.749,73.434 155.645,73.434 156.963,74.752 158.42,74.752 158.804,74.368 Q3.1@158.804,73.37
RGB_R_GATE: Q2.1 R41.2 R42.2 | length 9.6
  Top Layer w0.203: R42.2@153.67,78.65 153.717,78.697 153.717,80.959 R41.2@153.622,81.054 153.622,81.108 154.198,81.683 154.252,81.683 155.169,82.601 158.09,82.601 158.804,81.887 Q2.1@158.804,80.927
SD_CS_L: R28.1 SD1.2 U2.58 | length 82.9
  Top Layer w0.203: U2.58@104.914,93.663 104.914,96.871 105.237,97.194 v1(105.237,97.328) ; v1(168.529,103.124) R28.1@171.058,103.124 ; v1(172.085,94.742) 172.872,94.742 173.07,94.939 SD1.2@173.228,94.781
  Bottom Layer w0.203: v1(105.237,97.328) 106.68,95.885 110.109,95.885 114.681,100.457 166.37,100.457 ; v1(168.529,103.124) 168.529,102.616 166.37,100.457 ; v1(172.085,94.742) 166.37,100.457
SENSE_BUFF_IN+: C45.1 J18.1 J22.2 R87.2 TP70.1 U19.3 | length 27.6
  Top Layer w0.203: J18.1@37.473,70.096 37.608,69.961 42.434,69.961 ; TP70.1@47.371,59.055 47.498,59.182 J22.2@47.498,61.468 45.212,61.468 42.434,64.246 42.434,69.961 ; U19.3@50.612,69.957 50.592,69.977 C45.1@47.574,69.977 44.669,69.977 R87.2@44.653,69.961 42.434,69.961
SENSE_BUFF_IN-: R88.1 U19.4 | length 2.7
  Top Layer w0.203: R88.1@50.385,65.024 50.292,65.117 50.292,65.913 50.673,66.294 50.673,67.396 U19.4@50.612,67.457
SENSE_BUFF_OUT: J19.2 J22.1 R88.2 TP69.1 U19.1 | length 28.1
  Top Layer w0.203: J22.1@50.038,61.468 52.744,61.468 58.356,67.08 58.356,68.263 ; R88.2@52.485,65.024 52.485,65.224 51.562,66.147 51.562,68.326 52.432,69.196 52.432,69.877 U19.1@52.532,69.977 ; U19.1@52.512,69.957 52.512,70.033 52.695,69.85 J19.2@58.356,69.85 58.356,68.263 ; TP69.1@60.833,67.183 59.436,67.183 58.356,68.263
SENSE_INA_EN: R76.2 U17.8 | length 3.2
  Top Layer w0.203: R76.2@51.954,85.979 51.954,84.861 52.324,84.491 52.324,82.943 U17.8@52.3,82.919
SENSE_INA_FG: R81.1 R82.2 R83.2 R84.2 R85.2 R86.2 TP63.1 U17.1 | length 43.1
  Top Layer w0.203: R85.2@41.71,73.955 44.96,73.955 R86.2@45.085,74.08 45.135,74.13 R82.2@48.26,74.13 51.539,74.13 R83.2@51.689,73.98 ; v1(48.641,87.503) 48.641,85.45 49.276,84.815 49.276,82.967 49.3,82.943 U17.1@49.3,82.919 ; R83.2@51.755,73.914 R83.2@51.689,73.98 ; v1(59.817,74.168) 58.177,74.168 R81.1@58.166,74.157 58.041,74.282 R84.2@55.118,74.282 55.004,74.168 51.877,74.168 R83.2@51.689,73.98
  Bottom Layer w0.203: v1(48.641,87.503) 48.641,82.296 56.769,74.168 v1(59.817,74.168)
SENSE_INA_OUT: J15.2 R82.1 R83.1 R84.1 R85.1 R86.1 TP59.1 U17.6 | length 28.6
  Top Layer w0.203: R85.1@41.91,76.055 42.037,75.928 44.983,75.928 R86.1@45.021,75.967 ; R86.1@45.085,76.03 45.085,75.903 48.16,75.903 48.187,75.93 R82.1@48.26,75.93 ; R82.1@48.26,75.903 48.36,75.803 51.612,75.803 R83.1@51.689,75.88 51.816,75.753 55.039,75.753 R84.1@55.118,75.832 55.118,81.919 ; U17.6@52.3,81.919 55.118,81.919 ; 55.405,81.919 55.118,81.919 ; TP59.1@58.166,79.248 58.293,79.375 J15.2@58.293,81.915 55.122,81.915 55.118,81.919
SENSE_INA_VA: C40.1 J13.1 R79.2 TP56.1 TP57.1 U17.2 | length 15.8
  Top Layer w0.203: TP57.1@37.338,80.137 J13.1@37.338,83.439 37.481,83.582 TP56.1@40.648,83.582 R79.2@43.815,83.582 43.831,83.566 46.57,83.566 C40.1@46.609,83.527 47.609,83.527 48.717,82.419 U17.2@49.3,82.419
SENSE_INA_VB: C41.1 R77.1 R80.2 TP58.1 U17.3 | length 14.1
  Top Layer w0.203: TP58.1@37.338,77.597 37.338,78.003 37.786,78.451 38.034,78.451 40.267,80.684 40.679,80.684 R77.1@41.148,81.153 43.688,81.153 R80.2@43.815,81.28 46.394,81.28 C41.1@46.482,81.192 47.728,81.192 48.455,81.919 U17.3@49.3,81.919
SENSE_INA_VREF: R75.1 R81.2 U17.5 | length 11
  Top Layer w0.203: R75.1@52.104,79.375 52.105,79.374 v1(53.448,79.374) 53.448,80.918 52.947,81.419 U17.5@52.3,81.419 ; v1(56.816,77.751) 57.504,77.751 58.166,77.089 R81.2@58.166,75.957
  Bottom Layer w0.203: v1(53.448,79.374) 55.071,77.751 v1(56.816,77.751)
SENSE_MUX1_EN_L: R63.1 TP37.1 U2.11 U9.6 | length 61.3
  Top Layer w0.203: v1(75.359,55.885) 76.948,55.885 R63.1@76.953,55.88 ; U9.6@77.267,50.46 77.31,50.503 78.697,50.503 v1(78.74,50.546) 78.74,49.306 77.343,47.909 TP37.1@77.343,46.355 ; U2.11@100.139,86.888 100.148,86.879 101.589,86.879 v1(101.6,86.868)
  Bottom Layer w0.203: v1(78.74,50.546) 75.359,53.927 v1(75.359,55.885) 75.359,66.342 95.885,86.868 v1(101.6,86.868)
SENSE_MUX1_Y0: D9.5 J23.34 U9.13 | length 22.2
  Top Layer w0.203: U9.13@83.007,51.76 84.471,51.76 86.106,50.125 86.106,45.593 83.56,43.047 D9.5@83.56,41.354 83.56,39.411 87.571,35.4 J23.34@87.571,34.4
SENSE_MUX1_Y1: D9.6 J23.35 U9.14 | length 23.2
  Top Layer w0.203: U9.14@83.007,52.41 82.029,52.41 81.407,51.788 81.407,47.872 83.16,46.119 D9.6@83.16,42.154 83.16,39.308 86.301,36.167 J23.35@86.301,32.5
SENSE_MUX1_Y2: D9.4 J23.36 U9.15 | length 22.1
  Top Layer w0.203: U9.15@83.007,53.06 82.994,53.073 81.902,53.073 80.645,51.816 80.645,47.97 82.76,45.855 D9.4@82.76,41.354 82.76,37.671 85.031,35.4 J23.36@85.031,34.4
SENSE_MUX1_Y3: D9.7 J23.37 U9.12 | length 24.9
  Top Layer w0.203: v2(81.788,45.593) 82.36,45.021 D9.7@82.36,42.154 82.36,37.568 83.761,36.167 J23.37@83.761,32.5 ; U9.12@83.007,51.11 83.03,51.087 84.641,51.087 85.471,50.257 85.471,46.027 85.248,45.804 v2(85.248,45.669)
  Bottom Layer w0.203: v2(81.788,45.593) 81.826,45.631 85.21,45.631 v2(85.248,45.669)
SENSE_MUX1_Y4: D9.8 J23.38 U9.1 | length 22.3
  Top Layer w0.203: U9.1@77.267,53.71 78.624,53.71 80.01,52.324 80.01,46.101 81.56,44.551 D9.8@81.56,42.154 81.56,36.331 82.491,35.4 J23.38@82.491,34.4
SENSE_MUX1_Y5: D9.2 J23.39 U9.5 | length 26.9
  Top Layer w0.203: U9.5@77.267,51.11 75.367,51.11 74.168,49.911 74.168,45.974 75.438,44.704 v2(78.105,44.704) ; v2(80.518,44.704) 81.16,44.062 D9.2@81.16,41.354 81.183,41.33 81.183,32.538 J23.39@81.221,32.5
  Bottom Layer w0.203: v2(78.105,44.704) v2(80.518,44.704)
SENSE_MUX1_Y6: D9.9 J23.40 U9.2 | length 21.2
  Top Layer w0.203: U9.2@77.267,53.06 77.37,52.957 78.615,52.957 79.375,52.197 79.375,46.233 79.756,45.852 79.756,44.45 80.76,43.446 D9.9@80.76,42.154 80.76,36.209 79.951,35.4 J23.40@79.951,34.4
SENSE_MUX1_Y7: D9.1 J23.41 U9.4 | length 27.7
  Top Layer w0.203: U9.4@77.267,51.76 75.255,51.76 73.533,50.038 73.533,45.72 75.311,43.942 78.994,43.942 80.36,42.576 D9.1@80.36,41.354 80.36,38.35 78.681,36.671 J23.41@78.681,32.5
SENSE_MUX2_EN_L: R64.1 TP38.1 U2.9 U10.6 | length 82.5
  Top Layer w0.203: v1(61.595,54.356) 61.595,55.158 62.079,55.641 R64.1@61.84,55.88 ; TP38.1@61.849,59.69 63.5,59.69 63.754,59.436 63.881,59.436 64.008,59.309 v1(64.008,59.182) ; U10.6@63.622,50.46 64.722,50.46 65.017,50.165 v1(65.151,50.165) ; U2.9@100.139,87.888 100.143,87.884 v1(101.854,87.884)
  Bottom Layer w0.203: v1(64.008,59.182) 65.024,58.166 ; v1(65.151,50.165) 63.579,48.593 59.896,48.593 59.055,47.752 57.023,47.752 56.515,48.26 56.515,50.419 60.452,54.356 v1(61.595,54.356) 61.595,54.483 65.151,58.039 65.024,58.166 ; v1(101.854,87.884) 99.025,87.884 98.929,87.788 97.061,87.788 96.812,88.036 94.894,88.036 65.024,58.166
SENSE_MUX2_Y0: D10.5 J23.42 U10.13 | length 21.7
  Top Layer w0.203: U10.13@69.362,51.76 70.917,51.76 72.613,50.064 72.613,41.608 72.506,41.502 72.506,41.377 D10.5@72.483,41.354 72.483,41.229 77.323,36.389 77.323,34.488 J23.42@77.411,34.4
SENSE_MUX2_Y1: D10.6 J23.43 U10.14 | length 24.8
  Top Layer w0.203: U10.14@69.362,52.41 68.285,52.41 67.666,51.791 67.666,48.804 72.083,44.386 D10.6@72.083,42.154 72.083,40.693 76.141,36.635 J23.43@76.141,32.5
SENSE_MUX2_Y2: D10.4 J23.44 U10.15 | length 23.2
  Top Layer w0.203: U10.15@69.362,53.06 69.357,53.055 68.391,53.055 67.31,51.974 67.31,48.514 71.716,44.108 71.716,42.521 71.704,42.509 71.704,41.798 71.706,41.796 71.706,41.377 D10.4@71.683,41.354 71.683,40.585 74.871,37.397 J23.44@74.871,34.4
SENSE_MUX2_Y3: D10.7 J23.45 U10.12 | length 22.4
  Top Layer w0.203: U10.12@69.362,51.11 70.975,51.11 72.009,50.076 v2(72.009,45.847) ; v2(70.739,44.196) 70.739,44.148 71.283,43.604 D10.7@71.283,42.154 71.283,40.477 73.601,38.159 J23.45@73.601,32.5
  Bottom Layer w0.203: v2(70.739,44.196) 72.009,45.466 v2(72.009,45.847)
SENSE_MUX2_Y4: D10.8 J23.46 U10.1 | length 23.7
  Top Layer w0.203: U10.1@63.622,53.71 64.908,53.71 66.802,51.816 66.802,48.006 70.135,44.673 70.135,43.946 70.483,43.598 D10.8@70.483,42.154 70.483,37.248 72.331,35.4 J23.46@72.331,34.4
SENSE_MUX2_Y5: D10.2 J23.47 U10.5 | length 22.6
  Top Layer w0.203: U10.5@63.622,51.11 65.151,51.11 v1(65.242,51.018) ; v2(66.04,46.863) 70.083,42.82 D10.2@70.083,41.354 70.083,37.145 71.061,36.167 J23.47@71.061,32.5
  Bottom Layer w0.203: v1(65.242,51.018) 66.04,50.221 v2(66.04,46.863)
SENSE_MUX2_Y6: D10.9 J23.48 U10.2 | length 22.3
  Top Layer w0.203: U10.2@63.622,53.06 64.796,53.06 65.913,51.943 65.913,48.006 65.405,47.498 65.405,46.552 67.586,44.371 67.591,44.371 69.704,42.258 69.704,35.487 69.791,35.4 J23.48@69.791,34.4
SENSE_MUX2_Y7: D10.1 J23.49 U10.4 | length 23.6
  Top Layer w0.203: U10.4@63.622,51.76 62.532,51.76 62.413,51.641 62.413,49.041 69.283,42.171 D10.1@69.283,41.354 69.283,37.025 68.521,36.263 J23.49@68.521,32.5
SENSE_MUX3_EN_L: R68.1 TP42.1 U2.29 U11.6 | length 59.7
  Top Layer w0.203: U2.29@107.914,82.613 107.914,79.03 v1(109.474,77.47) ; R68.1@135.509,49.757 135.509,50.924 135.628,51.043 v1(136.318,51.043) 136.901,50.46 U11.6@138.176,50.46 ; TP42.1@139.573,56.007 139.998,56.007 140.446,55.559 140.446,54.88 140.462,54.864 v1(140.462,54.737)
  Bottom Layer w0.203: v1(109.474,77.47) 113.061,73.883 124.486,73.883 138.913,59.456 138.913,55.112 139.161,54.864 ; v1(136.318,51.043) 139.161,53.887 139.161,54.864 ; v1(140.462,54.737) 139.288,54.737 139.161,54.864
SENSE_MUX3_Y0: D11.5 J23.51 U11.13 | length 30.1
  Top Layer w0.203: J23.51@129.481,28.7 139.103,38.322 D11.5@139.103,41.402 139.103,42.583 139.682,43.162 v2(139.718,43.162) ; v1(142.367,51.689) 142.403,51.725 143.88,51.725 U11.13@143.916,51.76 U11.13@144.019,51.657
  Bottom Layer w0.203: v2(139.718,43.162) 142.367,45.812 v1(142.367,51.689)
SENSE_MUX3_Y1: D11.4 J23.52 U11.14 | length 32.3
  Top Layer w0.203: J23.52@128.211,30.6 129.787,30.6 138.303,39.116 D11.4@138.303,41.402 138.303,43.307 141.219,46.223 141.219,49.789 140.208,50.8 v1(140.208,52.451) ; v1(141.605,52.451) 141.626,52.43 143.896,52.43 U11.14@143.916,52.41
  Bottom Layer w0.203: v1(140.208,52.451) v1(141.605,52.451)
SENSE_MUX3_Y2: D11.6 J23.53 U11.15 | length 34.5
  Top Layer w0.203: J23.53@126.941,28.7 128.155,28.7 129.699,30.244 130.32,30.244 138.703,38.627 D11.6@138.703,42.202 138.703,43.199 141.575,46.071 141.575,50.068 140.874,50.769 140.874,52.574 141.36,53.06 U11.15@143.916,53.06
SENSE_MUX3_Y3: D11.7 J23.54 U11.12 | length 31.4
  Top Layer w0.203: J23.54@125.671,30.6 126.885,30.6 127.823,31.538 129.846,31.538 131.972,33.665 137.903,39.595 D11.7@137.903,42.202 137.903,43.578 140.462,46.137 v2(140.462,47.498) ; v1(141.478,51.054) 141.506,51.082 143.888,51.082 U11.12@143.916,51.11
  Bottom Layer w0.203: v2(140.462,47.498) 141.478,48.514 v1(141.478,51.054)
SENSE_MUX3_Y4: D11.8 J23.55 U11.1 | length 35.2
  Top Layer w0.203: v2(136.508,39.768) 137.103,40.364 D11.8@137.103,42.202 137.103,43.036 ; 137.104,43.037 137.104,44.902 139.802,47.6 139.802,50.947 139.573,51.176 139.573,53.213 139.118,53.668 138.218,53.668 U11.1@138.176,53.71
  Bottom Layer w0.203: J23.55@124.401,28.7 125.474,28.7 126.311,29.537 126.412,29.638 128.698,29.638 129.698,30.638 130.714,30.638 136.508,36.432 v2(136.508,39.768)
SENSE_MUX3_Y5: D11.2 J23.56 U11.5 | length 31.9
  Top Layer w0.203: v2(135.509,39.116) 135.509,39.751 136.703,40.945 D11.2@136.703,41.402 136.703,45.136 139.446,47.879 139.446,50.8 139.147,51.099 138.187,51.099 U11.5@138.176,51.11
  Bottom Layer w0.203: J23.56@123.131,30.6 123.437,30.6 124.375,31.538 128.6,31.538 128.642,31.496 130.048,31.496 135.509,36.957 v2(135.509,39.116)
SENSE_MUX3_Y6: D11.9 J23.57 U11.2 | length 37.8
  Top Layer w0.203: v2(135.382,43.942) 136.303,43.021 D11.9@136.303,42.202 ; v2(136.147,52.957) 136.199,53.009 138.125,53.009 U11.2@138.176,53.06
  Bottom Layer w0.203: J23.57@121.861,28.7 121.861,30.929 123.048,32.116 123.048,32.878 123.608,33.438 124.116,33.438 129.323,33.438 134.239,38.354 134.239,39.37 135.382,40.513 v2(135.382,43.942) 135.382,52.324 136.015,52.957 v2(136.147,52.957)
SENSE_MUX3_Y7: D11.1 J23.58 U11.4 | length 37.5
  Top Layer w0.203: v2(130.556,37.338) 132.588,37.338 135.89,40.64 135.89,41.389 D11.1@135.903,41.402 ; D11.1@135.903,41.527 135.903,42.278 133.977,44.204 133.977,50.369 135.368,51.76 U11.4@138.176,51.76
  Bottom Layer w0.203: J23.58@120.591,30.353 J23.58@120.591,30.6 120.591,32.707 121.778,33.894 121.778,36.307 122.809,37.338 v2(130.556,37.338)
SENSE_MUX4_EN_L: R69.1 TP43.1 U2.30 U12.6 | length 84.8
  Top Layer w0.203: U2.30@108.414,82.613 108.423,82.604 108.423,80.105 v1(108.518,80.01) ; U12.6@156.677,38.786 156.707,38.816 156.707,39.74 157.87,40.903 158.623,40.903 ; v1(158.611,43.089) 158.659,43.089 158.75,43.18 158.96,43.18 159.976,44.196 TP43.1@160.401,44.196 ; v1(158.623,41.783) 158.623,40.903 ; R69.1@160.274,40.903 158.623,40.903
  Bottom Layer w0.203: v1(108.518,80.01) 109.438,79.09 109.724,79.09 111.217,77.597 123.19,77.597 143.764,57.023 143.764,49.022 145.796,46.99 155.456,46.99 156.382,46.064 156.382,41.407 v1(157.403,40.386) ; v1(158.611,43.089) 158.611,41.795 v1(158.623,41.783)
SENSE_MUX4_Y0: D12.1 J23.59 U12.13 | length 46
  Top Layer w0.203: v2(146.558,41.783) 146.692,41.783 146.87,41.605 D12.1@148.298,41.605 148.318,41.625 154.107,41.625 155.377,42.895 U12.13@155.377,44.526
  Power w0.254: J23.59@119.321,28.7 120.284,27.737 129.88,27.737 132.882,30.738 132.882,32.045 135.883,35.046 140.347,35.046 140.468,34.925 v1(140.589,34.925)
  Bottom Layer w0.203: v1(140.589,34.925) 140.826,34.925 146.558,40.657 v2(146.558,41.783)
SENSE_MUX4_Y1: D12.9 J23.60 U12.14 | length 48.9
  Top Layer w0.203: v2(141.986,40.132) 143.015,41.161 146.79,41.161 146.834,41.205 D12.9@149.098,41.205 150.939,41.205 151.123,41.021 v2(151.257,41.021) ; v2(152.019,42.291) 154.27,42.291 154.727,42.748 U12.14@154.727,44.526
  Power w0.254: J23.60@118.051,30.6 118.051,28.608 119.328,27.33 130.954,27.33 134.747,31.123 v1(134.747,33.02)
  Bottom Layer w0.203: v1(134.747,33.02) 134.874,33.02 v2(141.986,40.132) ; v2(151.257,41.021) 151.924,41.688 151.924,42.196 v2(152.019,42.291)
SENSE_MUX4_Y2: D12.2 J23.61 U12.15 | length 47.3
  Top Layer w0.203: v1(133.575,30.841) 133.575,30.924 137.672,35.021 137.729,35.021 143.513,40.805 D12.2@148.298,40.805 149.432,40.805 149.851,40.386 153.594,40.386 v1(154.102,40.894) ; v1(154.051,42.926) 154.064,42.939 154.064,44.513 U12.15@154.077,44.526
  GND w0.254: J23.61@116.781,28.7 117.795,27.686 130.42,27.686 v1(133.575,30.841)
  Bottom Layer w0.203: v1(154.051,42.926) 154.077,42.9 154.077,40.92 v1(154.102,40.894)
SENSE_MUX4_Y3: D12.8 J23.62 U12.12 | length 53.6
  Top Layer w0.203: v1(137.922,34.417) 143.91,40.405 149.223,40.405 149.623,40.005 154.067,40.005 154.352,40.29 156.027,41.965 U12.12@156.027,44.526
  GND w0.254: J23.62@115.511,30.6 115.511,28.253 116.713,27.051 132.334,27.051 134.747,29.464 134.747,31.497 136.899,33.649 137.154,33.649 v1(137.922,34.417)
SENSE_MUX4_Y4: D12.7 J23.63 U12.1 | length 47.2
  Top Layer w0.203: v2(143.82,38.774) 145.026,38.774 145.857,39.605 D12.7@149.098,39.605 150.654,39.605 152.693,37.567 153.248,37.567 153.427,37.745 U12.1@153.427,38.786
  Power w0.254: J23.63@114.241,28.7 116.017,26.924 131.123,26.924 135.153,30.955 135.153,31.013 v1(137.16,33.02)
  Bottom Layer w0.203: v1(137.16,33.02) 137.255,33.115 137.796,33.115 143.36,38.679 143.725,38.679 v2(143.82,38.774)
SENSE_MUX4_Y5: D12.4 J23.64 U12.5 | length 54.7
  Top Layer w0.203: v2(144.119,37.364) 145.96,39.205 D12.4@148.298,39.205 149.432,39.205 150.305,38.332 150.473,38.332 v2(150.495,38.354) ; U12.5@156.055,38.758 U12.5@156.027,38.786 156.055,38.814 156.055,40.358 v1(156.083,40.386)
  Bottom Layer w0.203: J23.64@112.971,30.6 112.971,28.643 113.853,27.762 137.315,27.762 140.669,31.117 140.669,33.914 v2(144.119,37.364) ; v2(150.495,38.354) 154.051,38.354 v1(156.083,40.386)
SENSE_MUX4_Y6: D12.6 J23.65 U12.2 | length 51.9
  Top Layer w0.203: v2(144.145,36.322) 146.628,38.805 D12.6@149.098,38.805 149.121,38.782 149.246,38.782 149.891,38.137 149.891,38.104 150.784,37.211 153.889,37.211 154.077,37.399 U12.2@154.077,38.786
  Bottom Layer w0.203: J23.65@111.626,28.709 112.929,27.406 138.785,27.406 142.926,31.547 142.926,35.103 v2(144.145,36.322)